# Altium PCB PCB_Raspberry_V5.PcbDoc (part 1 of 2)
Units mm, origin at the board's own origin, x right, y up, seen from the top; angles counter-clockwise.
Board outline 92 x 96 mm, 2 copper layers (Top Layer, Bottom Layer), stack 1.611 mm thick; 98 components, 94 nets, 324 pads, 446 vias.
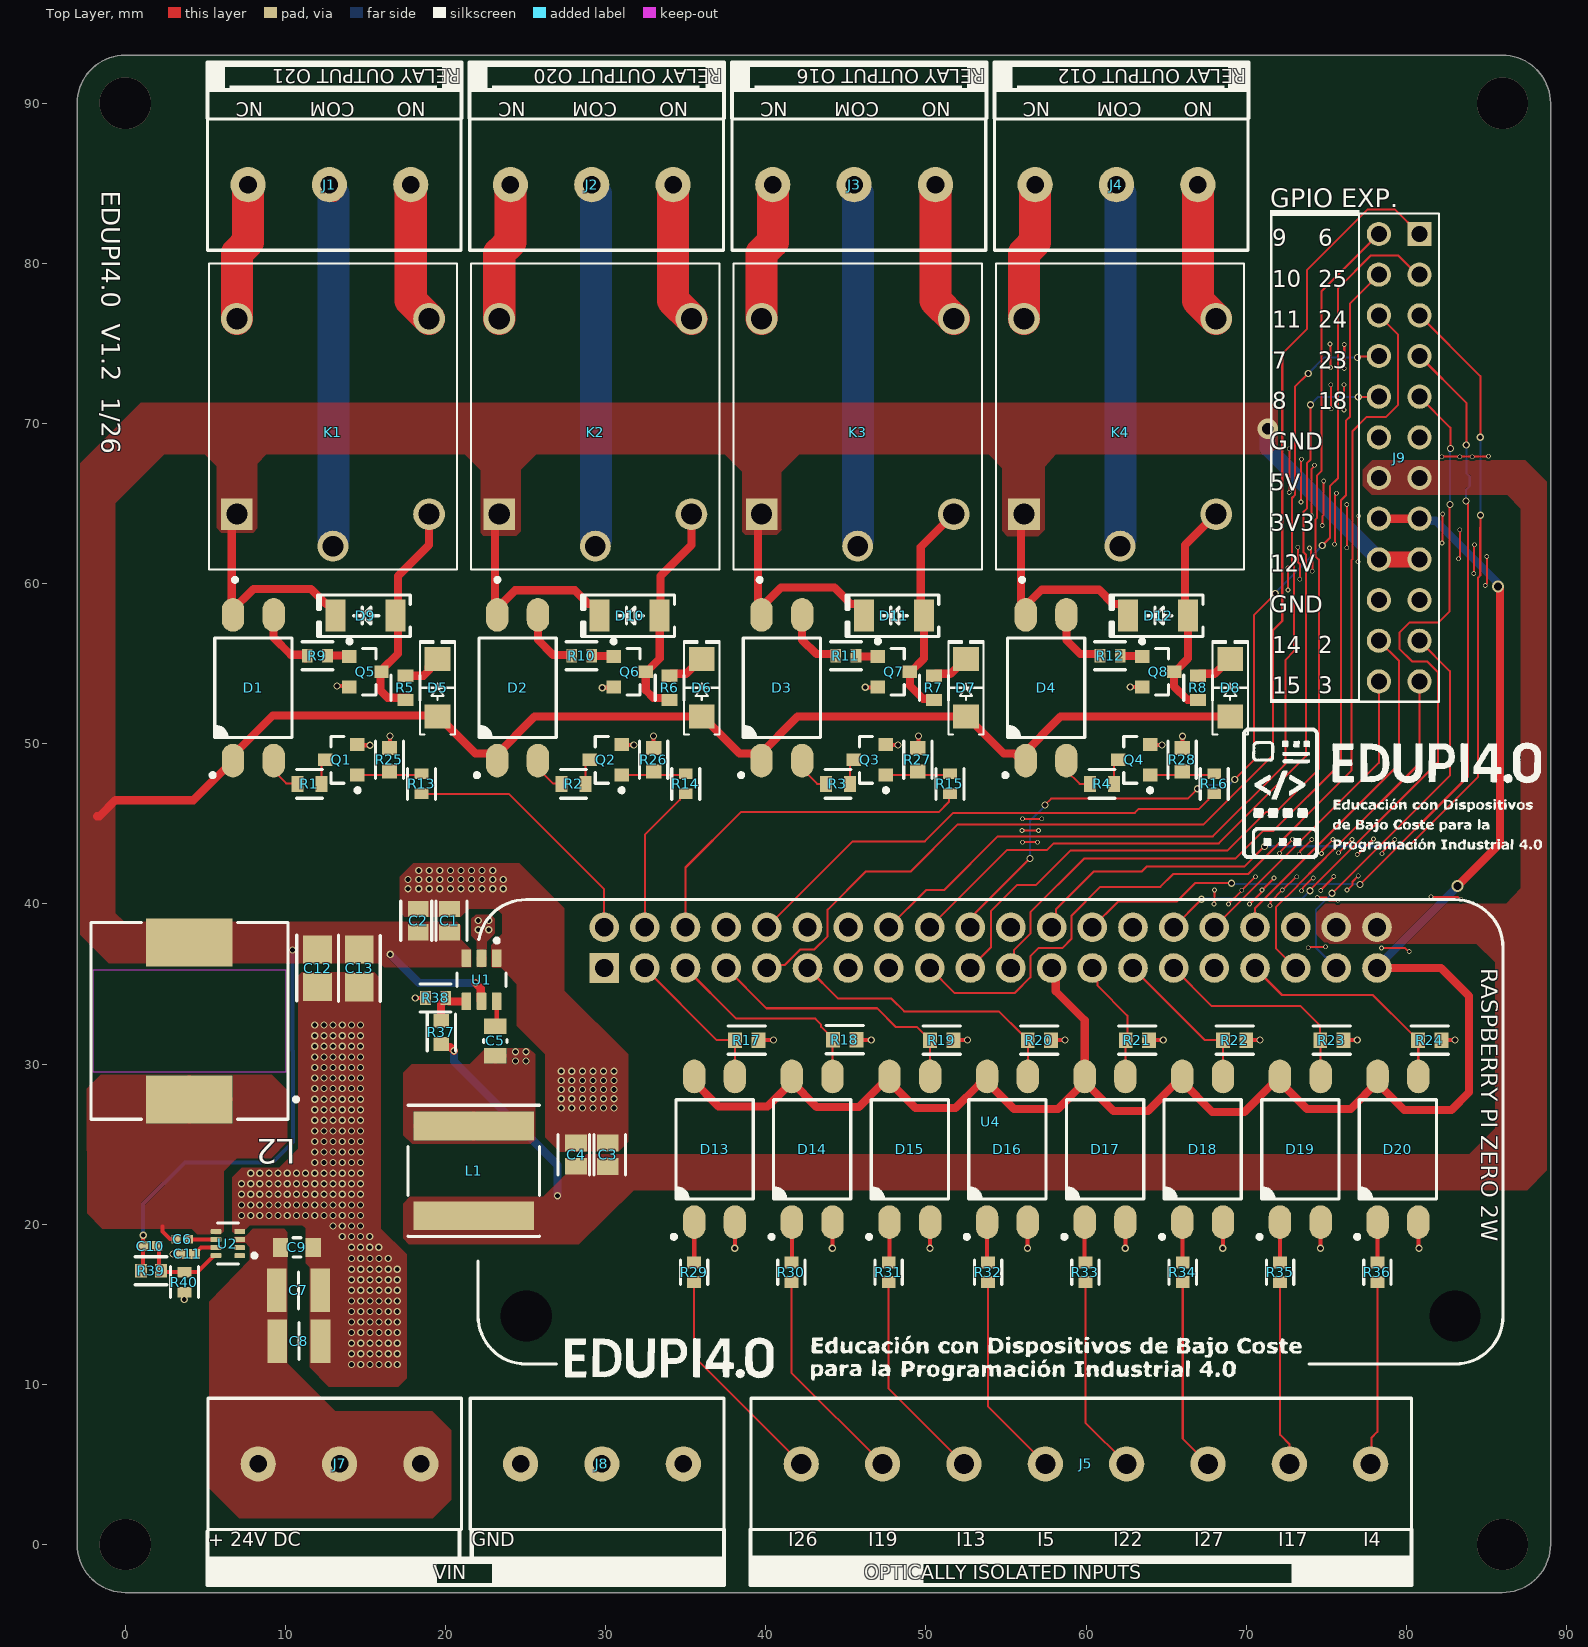
[diagram p0: Top Layer view]
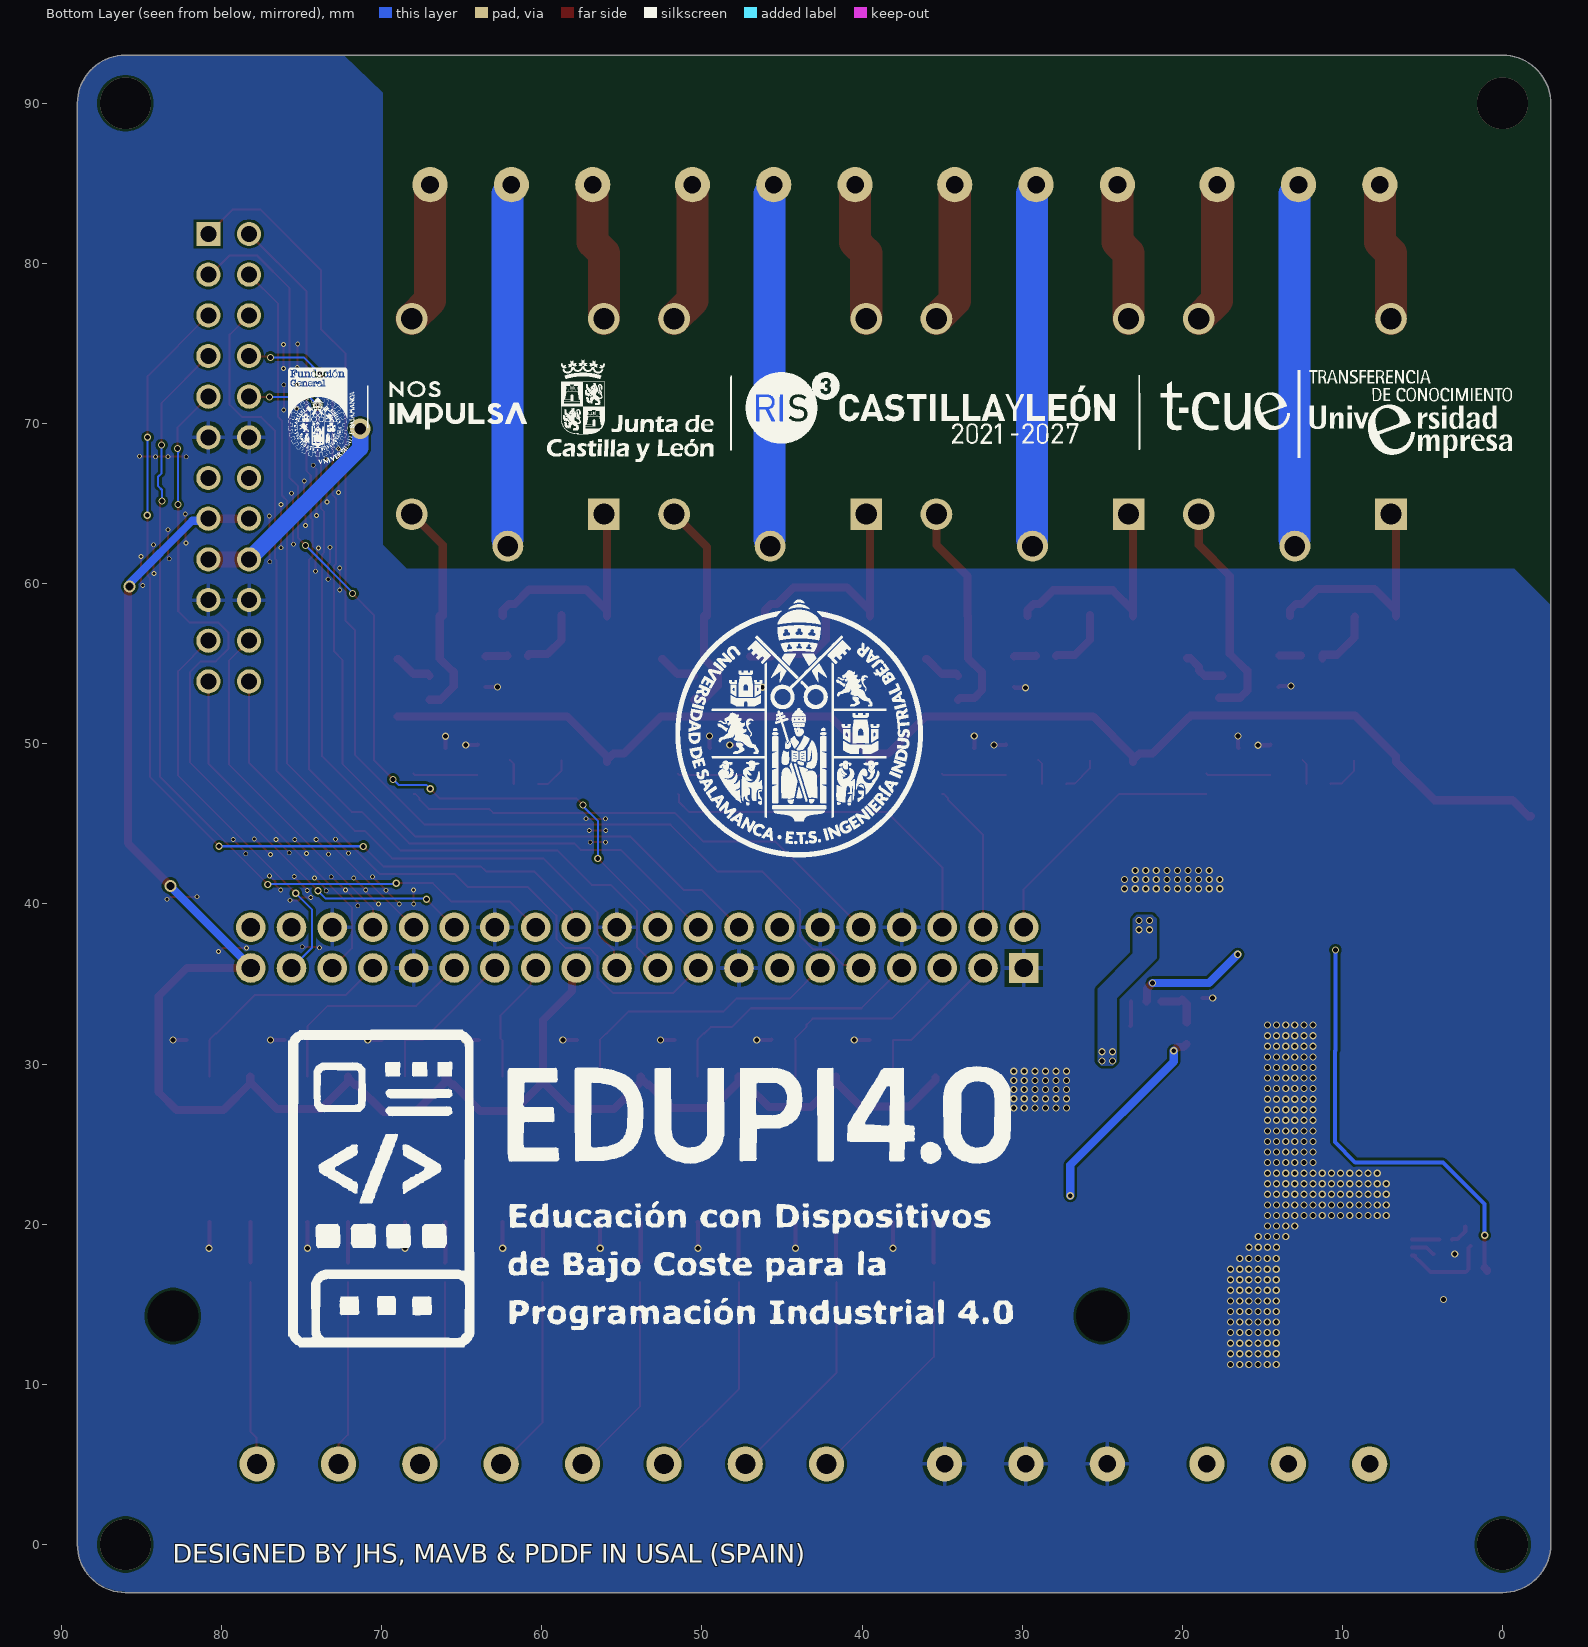
[diagram p1: Bottom Layer view, seen from below]
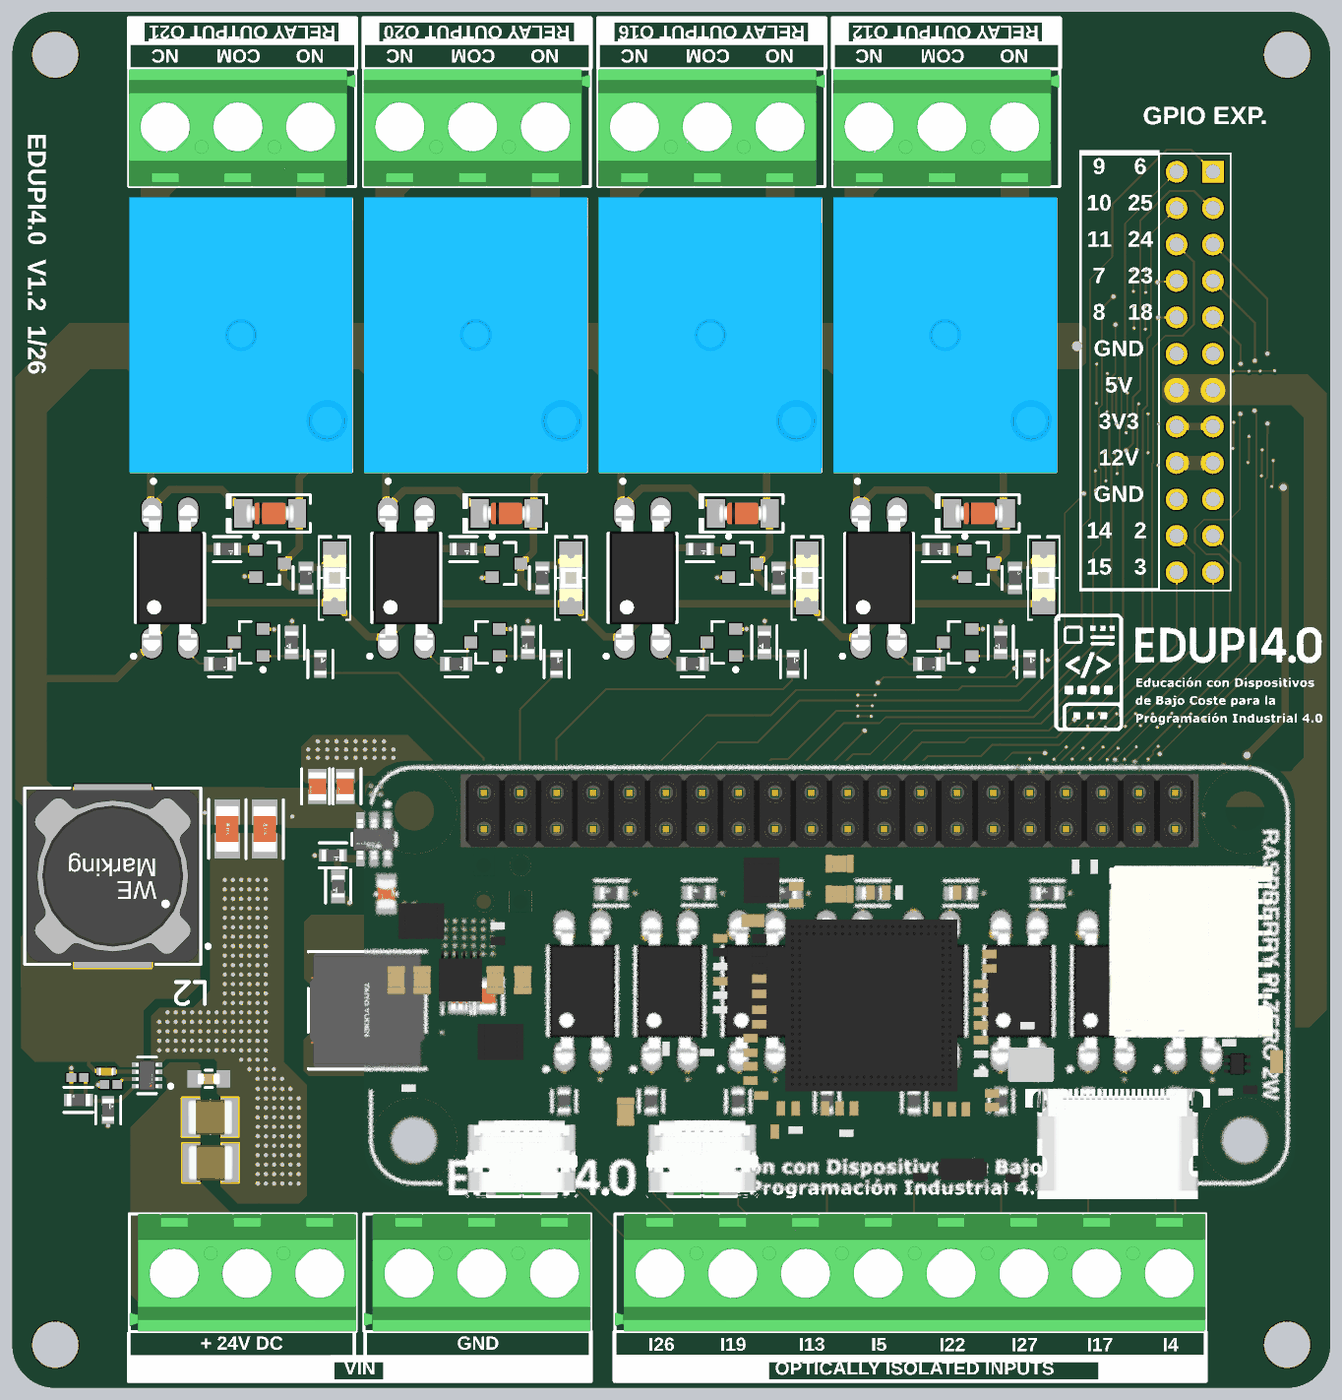
[diagram p3: 3D render of the assembled board from above, using the file's embedded part models]

## Layer stack, top to bottom
Top Solder: solder mask 0.0102, Solder Resist, Dk 3.5
Top Layer: signal copper 0.0356
Dielectric 1: dielectric 1.54, FR-4, Dk 4.8
Bottom Layer: signal copper 0.0356
Bottom Solder: solder mask 0.0102, Solder Resist, Dk 3.5

## Board outline
-3,0 ccw(c0,0) 0,-3 86,-3 ccw(c86,0) 89,0 89,89.912 89,90 ccw(c86,90) 86,93 0,93 ccw(c0,90) -3,90

## Design rules (kind name [scope] priority, off if disabled: settings)
Clearance Clearance_Signal [InNetClass('Signal')] p1: gap=0.15 ignorepadtopadclearanceinfootprint=FALSE
Clearance [All] p2: gap=0.15 ignorepadtopadclearanceinfootprint=FALSE
MinimumSolderMaskSliver [All] p1: minsoldermaskwidth=0.05
PolygonConnect PolygonConnect_PWR_24 [InNetClass('PWR_24')] p1: connectstyle=Direct reliefconductorwidth=0.254 reliefentries=4 polygonreliefangle="90 Angle" airgapwidth=0.254
PolygonConnect PolygonConnect_GND [InNet('GND')] p2: thpad.connectstyle=Relief thpad.reliefconductorwidth=0.254 thpad.reliefentries=4 thpad.polygonreliefangle="90 Angle" thpad.airgapwidth=0.254 smdpad.connectstyle=Direct smdpad.reliefconductorwidth=0.254 smdpad.reliefentries=4 smdpad.polygonreliefangle="90 Angle" smdpad.airgapwidth=0.254 via.connectstyle=Direct via.reliefconductorwidth=0.254 via.reliefentries=4 via.polygonreliefangle="90 Angle" via.airgapwidth=0.254
PolygonConnect PolygonConnect_PWR [InNetClass('PWR')] p3: connectstyle=Direct reliefconductorwidth=0.254 reliefentries=4 polygonreliefangle="90 Angle" airgapwidth=0.254
PolygonConnect PolygonConnect_Signal [InNetClass('Signal') vs InNetClass('All Nets')] p4: connectstyle=Relief reliefconductorwidth=0.152 reliefentries=4 polygonreliefangle="90 Angle" airgapwidth=0.152
RoutingVias RoutingVias_Signal [InNetClass('Signal')] p1: holewidth=0.3 width=0.45 viastyle="Through Hole" minholewidth=0.3 minwidth=0.45 maxholewidth=0.3 maxwidth=0.45
RoutingVias RoutingVias_PWR [All] p2: holewidth=0.711 width=1.27 viastyle="Through Hole" minholewidth=0.711 minwidth=1.27 maxholewidth=0.711 maxwidth=1.27
RoutingVias RoutingVias_PWR_24 [InNetClass('PWR_24')] p3: holewidth=0.711 width=1.27 viastyle="Through Hole" minholewidth=0.711 minwidth=1.27 maxholewidth=0.711 maxwidth=1.27
SolderMaskExpansion [All] p1: expansion=0.102 istentingtop=FALSE
SupplyNets "Schematic Supply Nets_4" [InNet('3V3')] p1: voltage=0.000
SupplyNets "Schematic Supply Nets_3" [InNet('+24V')] p2: voltage=0.000
SupplyNets "Schematic Supply Nets_2" [InNet('+5V')] p3: voltage=0.000
SupplyNets "Schematic Supply Nets_1" [InNet('GND')] p4: voltage=0.000
SupplyNets "Schematic Supply Nets" [InNet('+12V')] p5: voltage=0.000
Width Width_5 [InNet('+5V')] p1: maxlimit=0.508 minlimit=0.508 preferedwidth=0.508
Width Width_3 [InNet('3V3')] p2: maxlimit=0.508 minlimit=0.508 preferedwidth=0.508
Width Width_Signal [InNetClass('Signal')] p3: maxlimit=0.127 minlimit=0.127 preferedwidth=0.127
Width Width_PWR [InNetClass('PWR')] p4: maxlimit=0.254 minlimit=0.254 preferedwidth=0.254
Width Width_PWR_24 [InNetClass('PWR_24')] p5: maxlimit=1.016 minlimit=0.254 preferedwidth=0.508 minimp=50.000000 maximp=50.000000 favimp=50.000000
Width Width_Relay [InNetClass('Relay')] p6: maxlimit=2 minlimit=1 preferedwidth=1
29 further rules are at their usual default settings.

## Classes and differential pairs
net class PWR_24: +12V +24V NetD1_3 NetD2_3 NetD3_3 NetD4_3 NetD5_2 NetD6_2 NetD7_2 NetD8_2 NetD9_1 NetD10_1 NetD11_1 NetD12_1 NetQ5_1 NetQ6_1 NetQ7_1 NetQ8_1
net class PWR: 3V3 +5V IN1 IN2 IN3 IN4 IN5 IN6 IN7 IN8
net class Relay: COM1 COM2 COM3 COM4 NC1 NC2 NC3 NC4 NO1 NO2 NO3 NO4
net class Signal: CE0 CE1 DI1 DI2 DI3 DI4 DI5 IN1 IN2 IN3 IN4 IN5 IN6 IN7 IN8 MISO MOSI NetD1_2 NetD2_2 NetD3_2 NetD4_2 NetQ1_1 NetQ2_1 NetQ3_1 NetQ4_1 OI1 OI2 OI3 OI4 OI5 OI6 OI7 OI8 Rele1 Rele2 Rele3 Rele4 RXD SCL SCLK SDA TXD

## Components (designator, comment, footprint, x,y, rotation, side; value= is the part's Value field where it differs from the comment)
C1 "10uF" FP-GRM21B-0_15-IPC_C 20.241,38.961 r270 top
C2 "10uF" FP-GRM21B-0_15-IPC_C 18.298,38.961 r270 top
C3 "22uF" FP-GRM21B-0_2-e0_2_0_7-IPC_C 30.122,24.34 r90 top
C4 "22uF" FP-GRM21B-0_2-e0_2_0_7-IPC_C 28.153,24.343 r90 top
C5 "0.1uF" FP-CC0805-0_85-MFG 23.111,31.442 r90 top value="100 nF"
C6 "100nF" CAPC1005X55X25LL05T10 3.553,19.06 r180 top
C7 "10uF" CAPC3225X270N 10.818,15.872 r180 top
C8 "10uF" CAPC3225X270N 10.843,12.697 r180 top
C9 "100nF" FP-CGA3E-0_3-0_1-IPC_A 10.716,18.552 r180 top
C10 "6.8pF" CAPC1005X55X25NL05T10 1.559,18.628 r180 top
C11 "33nF" CAPC1005X55X25NL05T10 3.883,18.146 r0 top
C12 "22uF" FP-C3216-160-0_2-IPC_B 12.011,35.989 r270 top
C13 "22uF" FP-C3216-160-0_2-IPC_B 14.615,35.976 r270 top
D1 "LTV-817S-TA" "LITEON LTV-817" 8,53.5 r90 top locked
D2 "LTV-817S-TA" "LITEON LTV-817" 24.5,53.5 r90 top locked
D3 "LTV-817S-TA" "LITEON LTV-817" 41,53.5 r90 top locked
D4 "LTV-817S-TA" "LITEON LTV-817" 57.5,53.5 r90 top locked
D5 "Red" "LED 1206_3216 RED" 19.5,53.5 r90 top locked
D6 "Red" "LED 1206_3216 RED" 36,53.5 r90 top locked
D7 "Red" "LED 1206_3216 RED" 52.5,53.5 r90 top locked
D8 "Red" "LED 1206_3216 RED" 69,53.5 r90 top locked
D9 "LL4148" "SOD-80 MiniMELF" 15,58 r180 top locked
D10 "LL4148" "SOD-80 MiniMELF" 31.5,58 r180 top locked
D11 "LL4148" "SOD-80 MiniMELF" 48,58 r180 top locked
D12 "LL4148" "SOD-80 MiniMELF" 64.5,58 r180 top locked
D13 "LTV-817S-TA" "LITEON LTV-817" 36.8,24.679 r90 top locked
D14 "LTV-817S-TA" "LITEON LTV-817" 42.896,24.679 r90 top locked
D15 "LTV-817S-TA" "LITEON LTV-817" 48.992,24.679 r90 top locked
D16 "LTV-817S-TA" "LITEON LTV-817" 55.088,24.679 r90 top locked
D17 "LTV-817S-TA" "LITEON LTV-817" 61.184,24.679 r90 top locked
D18 "LTV-817S-TA" "LITEON LTV-817" 67.28,24.679 r90 top locked
D19 "LTV-817S-TA" "LITEON LTV-817" 73.376,24.679 r90 top locked
D20 "LTV-817S-TA" "LITEON LTV-817" 79.472,24.679 r90 top locked
J1 "282837-3" "TE 282837-3" 12.749,84.915 r0 top locked
J2 "282837-3" "TE 282837-3" 29.132,84.915 r0 top locked
J3 "282837-3" "TE 282837-3" 45.514,84.915 r0 top locked
J4 "282837-3" "TE 282837-3" 61.898,84.915 r0 top locked
J5 "282837-8" "TE 282837-8" 59.993,5.032 r0 top locked
J7 "282837-3" "TE 282837-3" 13.384,5.032 r180 top locked
J8 "282837-3" "TE 282837-3" 29.767,5.032 r180 top locked
J9 "2X12 MALE HEADER_1" "2X12 MALE HEADER" 79.55,67.866 r270 top locked
K1 "SRD-12VDC-SL-C" RELAY_SRD-05VDC-SL-C 12.972,70.442 r90 top locked
K2 "SRD-12VDC-SL-C" RELAY_SRD-05VDC-SL-C 29.355,70.442 r90 top locked
K3 "SRD-12VDC-SL-C" RELAY_SRD-05VDC-SL-C 45.738,70.442 r90 top locked
K4 "SRD-12VDC-SL-C" RELAY_SRD-05VDC-SL-C 62.121,70.442 r90 top locked
L1 "3.3uH" FP-NR8040-H_4_2-MFG 21.765,23.333 r270 top
L2 "784770220" WE-PDA_1280 4.01,32.7 r180 top
Q1 "SMMBT3904LT1G" ONSC-SOT-23-3-318-08_V 13.5,49 r180 top locked
Q2 "SMMBT3904LT1G" ONSC-SOT-23-3-318-08_V 30,49 r180 top locked
Q3 "SMMBT3904LT1G" ONSC-SOT-23-3-318-08_V 46.5,49 r180 top locked
Q4 "SMMBT3904LT1G" ONSC-SOT-23-3-318-08_V 63,49 r180 top locked
Q5 "SMMBT3904LT1G" ONSC-SOT-23-3-318-08_V 15,54.5 r0 top locked
Q6 "SMMBT3904LT1G" ONSC-SOT-23-3-318-08_V 31.5,54.5 r0 top locked
Q7 "SMMBT3904LT1G" ONSC-SOT-23-3-318-08_V 48,54.5 r0 top locked
Q8 "SMMBT3904LT1G" ONSC-SOT-23-3-318-08_V 64.5,54.5 r0 top locked
R1 "820 Ohm" FP-CRCW0603-HPe3-MFG 11.5,47.5 r0 top locked
R2 "820 Ohm" FP-CRCW0603-HPe3-MFG 28,47.5 r0 top locked
R3 "820 Ohm" FP-CRCW0603-HPe3-MFG 44.5,47.5 r0 top locked
R4 "820 Ohm" FP-CRCW0603-HPe3-MFG 61,47.5 r0 top locked
R5 "1k" FP-CRCW0603-HPe3-MFG 17.5,53.5 r90 top locked
R6 "1k" FP-CRCW0603-HPe3-MFG 34,53.5 r90 top locked
R7 "1k" FP-CRCW0603-HPe3-MFG 50.5,53.5 r90 top locked
R8 "1k" FP-CRCW0603-HPe3-MFG 67,53.5 r90 top locked
R9 "1 k" FP-MCT0603-IPC_C 12,55.5 r0 top locked
R10 "1 k" FP-MCT0603-IPC_C 28.5,55.5 r0 top locked
R11 "1 k" FP-MCT0603-IPC_C 45,55.5 r0 top locked
R12 "1 k" FP-MCT0603-IPC_C 61.5,55.5 r0 top locked
R13 "1 k" FP-MCT0603-IPC_C 18.5,47.5 r90 top locked
R14 "1 k" FP-MCT0603-IPC_C 35,47.5 r90 top locked
R15 "1 k" FP-MCT0603-IPC_C 51.5,47.5 r90 top locked
R16 "1 k" FP-MCT0603-IPC_C 68,47.5 r90 top locked
R17 "10k" FP-MCT0603-IPC_B 38.808,31.5 r180 top locked
R18 "10k" FP-MCT0603-IPC_B 44.93,31.531 r180 top locked
R19 "10k" FP-MCT0603-IPC_B 50.988,31.5 r180 top locked
R20 "10k" FP-MCT0603-IPC_B 57.084,31.5 r180 top locked
R21 "10k" FP-MCT0603-IPC_B 63.205,31.5 r180 top locked
R22 "10k" FP-MCT0603-IPC_B 69.276,31.5 r180 top locked
R23 "10k" FP-MCT0603-IPC_B 75.346,31.5 r180 top locked
R24 "10k" FP-MCT0603-IPC_B 81.455,31.5 r180 top locked
R25 "10k" FP-MCT0603-IPC_B 16.5,49 r270 top locked
R26 "10k" FP-MCT0603-IPC_B 33,49 r270 top locked
R27 "10k" FP-MCT0603-IPC_B 49.5,49 r270 top locked
R28 "10k" FP-MCT0603-IPC_B 66,49 r270 top locked
R29 "1.5K" FP-CRCW0603-e3-IPC_C 35.519,17 r270 top locked
R30 "1.5K" FP-CRCW0603-e3-IPC_C 41.597,17 r270 top locked
R31 "1.5K" FP-CRCW0603-e3-IPC_C 47.675,17 r270 top locked
R32 "1.5K" FP-CRCW0603-e3-IPC_C 53.88,17 r270 top locked
R33 "1.5K" FP-CRCW0603-e3-IPC_C 59.958,17 r270 top locked
R34 "1.5K" FP-CRCW0603-e3-IPC_C 66.035,17 r270 top locked
R35 "1.5K" FP-CRCW0603-e3-IPC_C 72.113,17 r270 top locked
R36 "1.5K" FP-CRCW0603-e3-IPC_C 78.191,17 r270 top locked
R37 "56.2K" FP-MCT0603-IPC_B 19.746,31.976 r270 top
R38 "10K" FP-MCT0603-IPC_C 19.377,34.135 r0 top
R39 "140K" FP-CRCW0603-HPe3-IPC_C 1.61,17.091 r180 top
R40 "10K" FP-MCT0603-IPC_C 3.693,16.38 r90 top
U1 "TPS563200DDCR" FP-DDC0006A-MFG 22.248,35.265 r270 top
U2 "TPS62932DRLR" FP-DRL0008A-MFG 6.411,18.793 r180 top
U4 "Raspberry pi zero 2W" "Raspberry Pi Zero 2 W" 29.906,36 r90 top locked
